# Altium PCB R100.230.030.001-00 ControlVR.PcbDoc (part 1 of 5)
Units mm, origin at the board's own origin, x right, y up, seen from the top; angles counter-clockwise.
Board outline 150 x 170 mm, 2 copper layers (Top, Bottom), stack 1.571 mm thick; 497 components, 319 nets, 1589 pads, 832 vias.
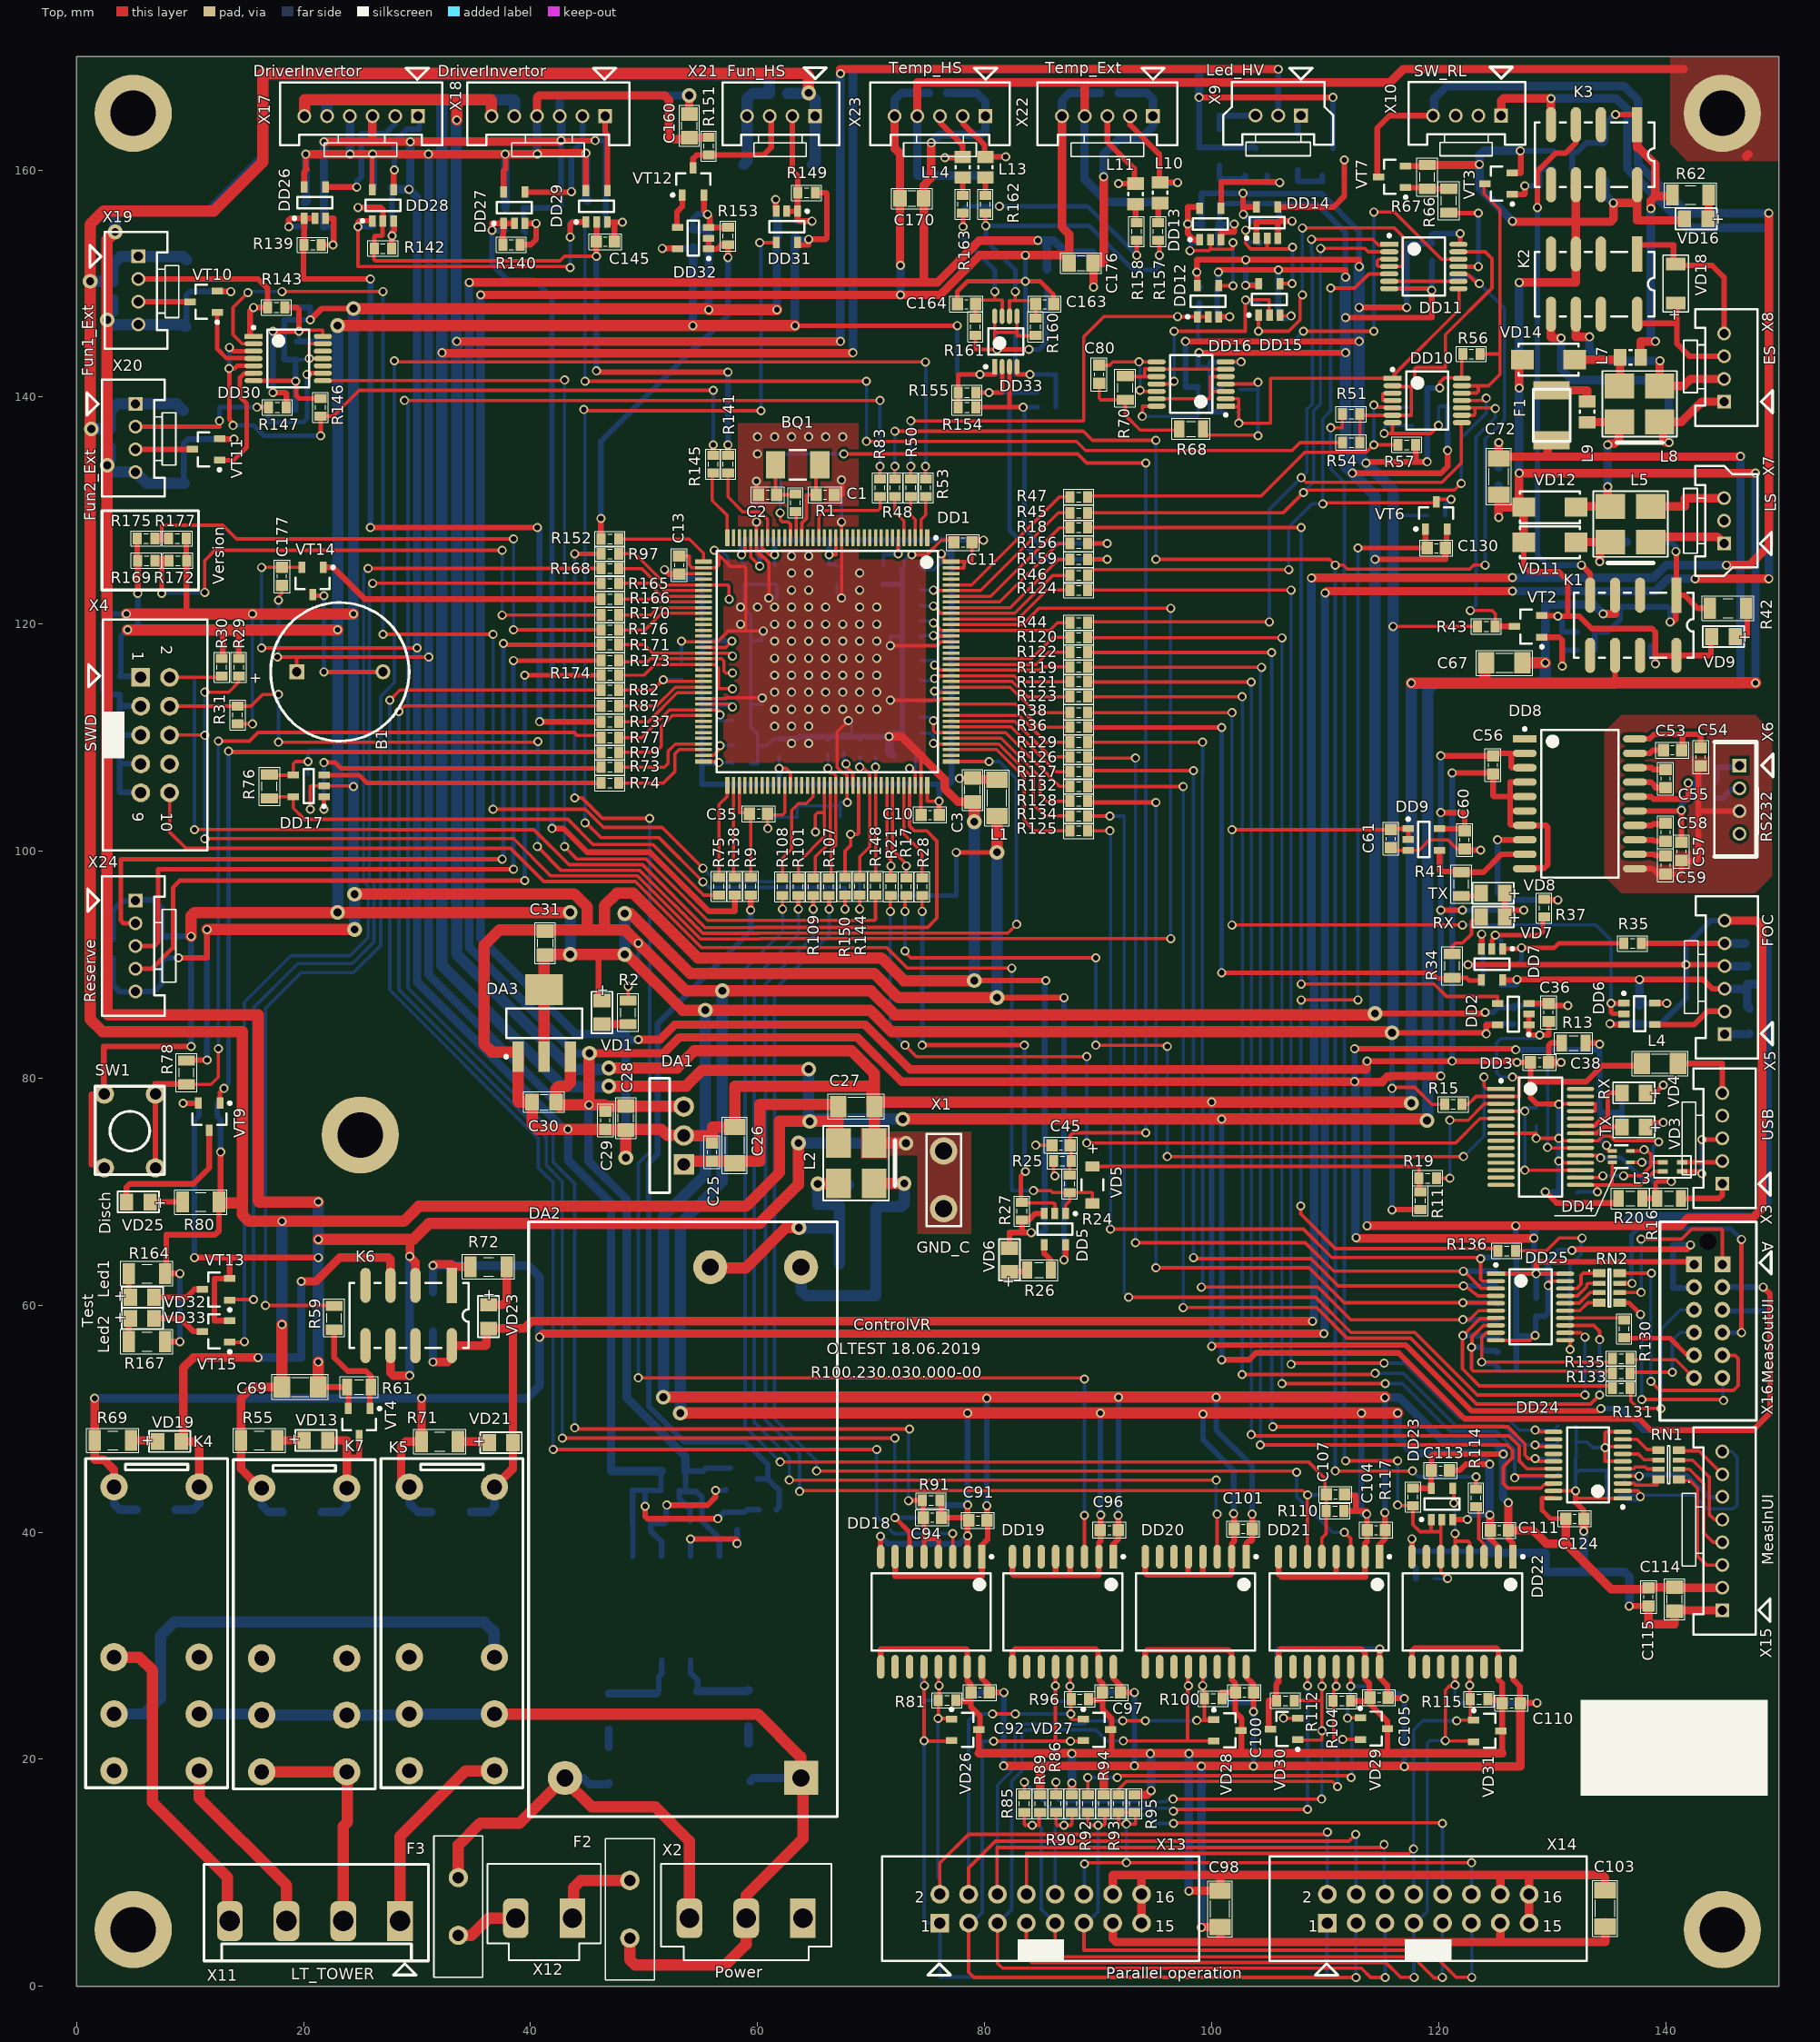
[diagram p0: Top view]
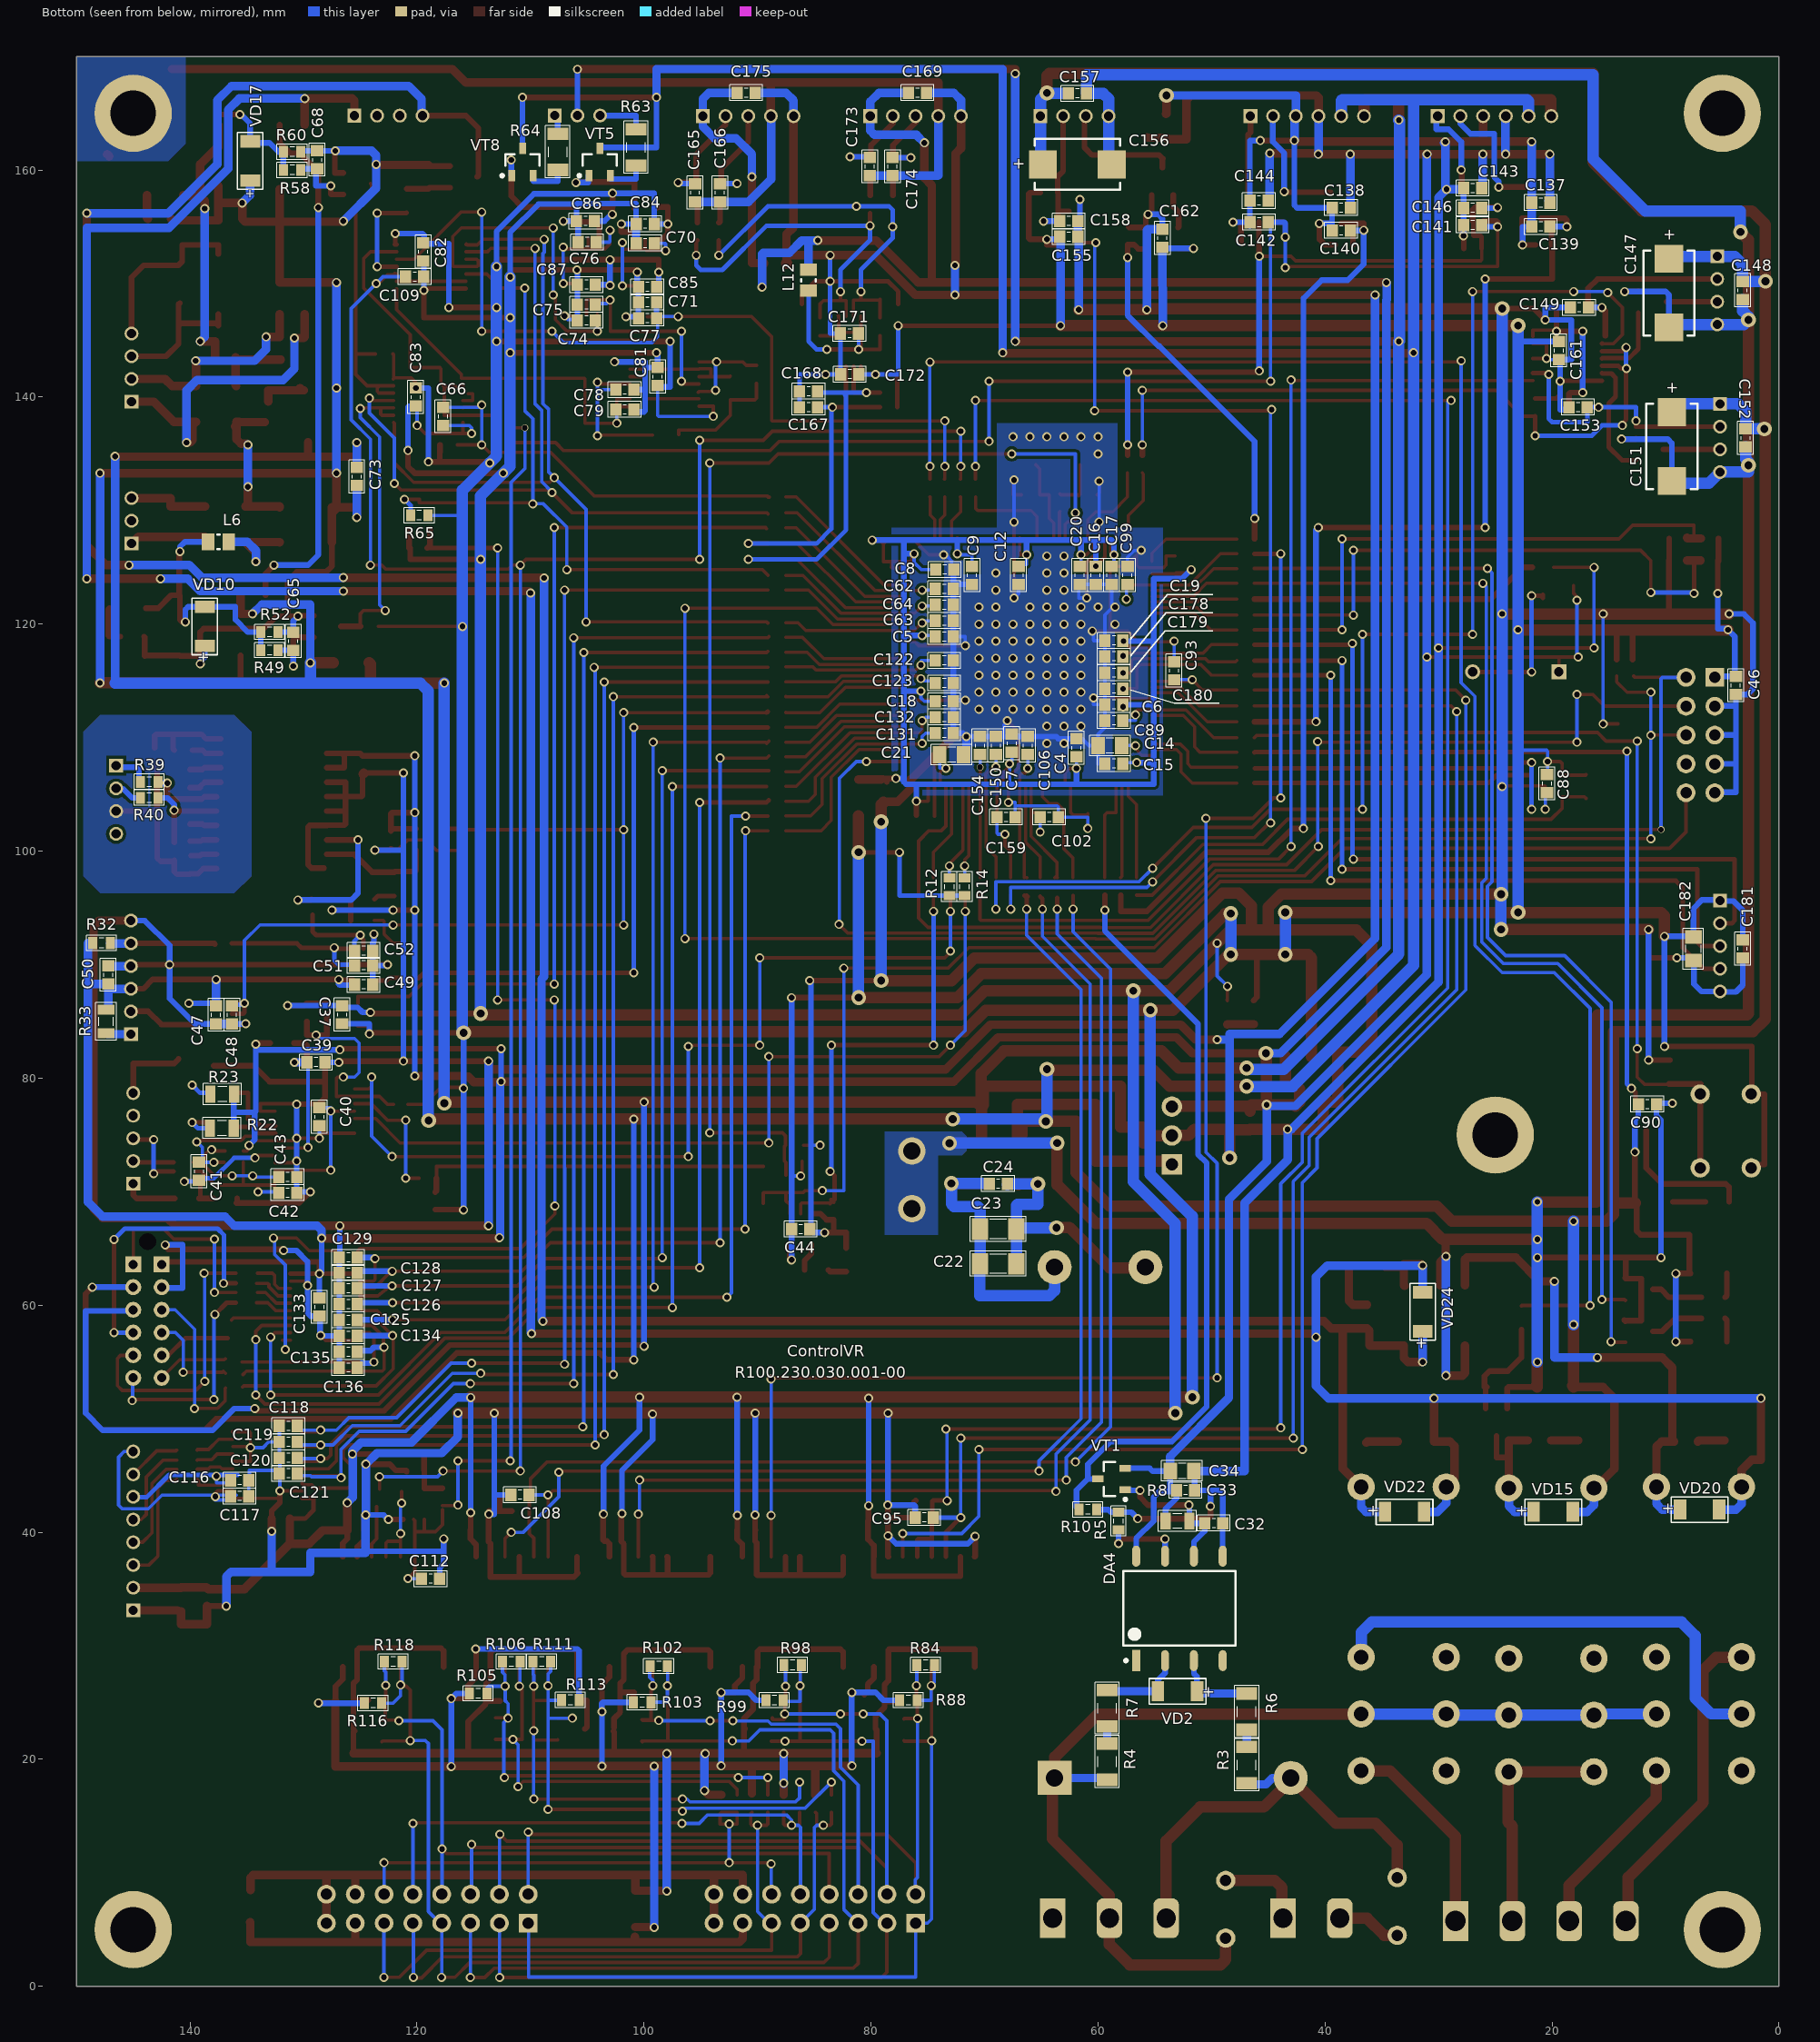
[diagram p1: Bottom view, seen from below]
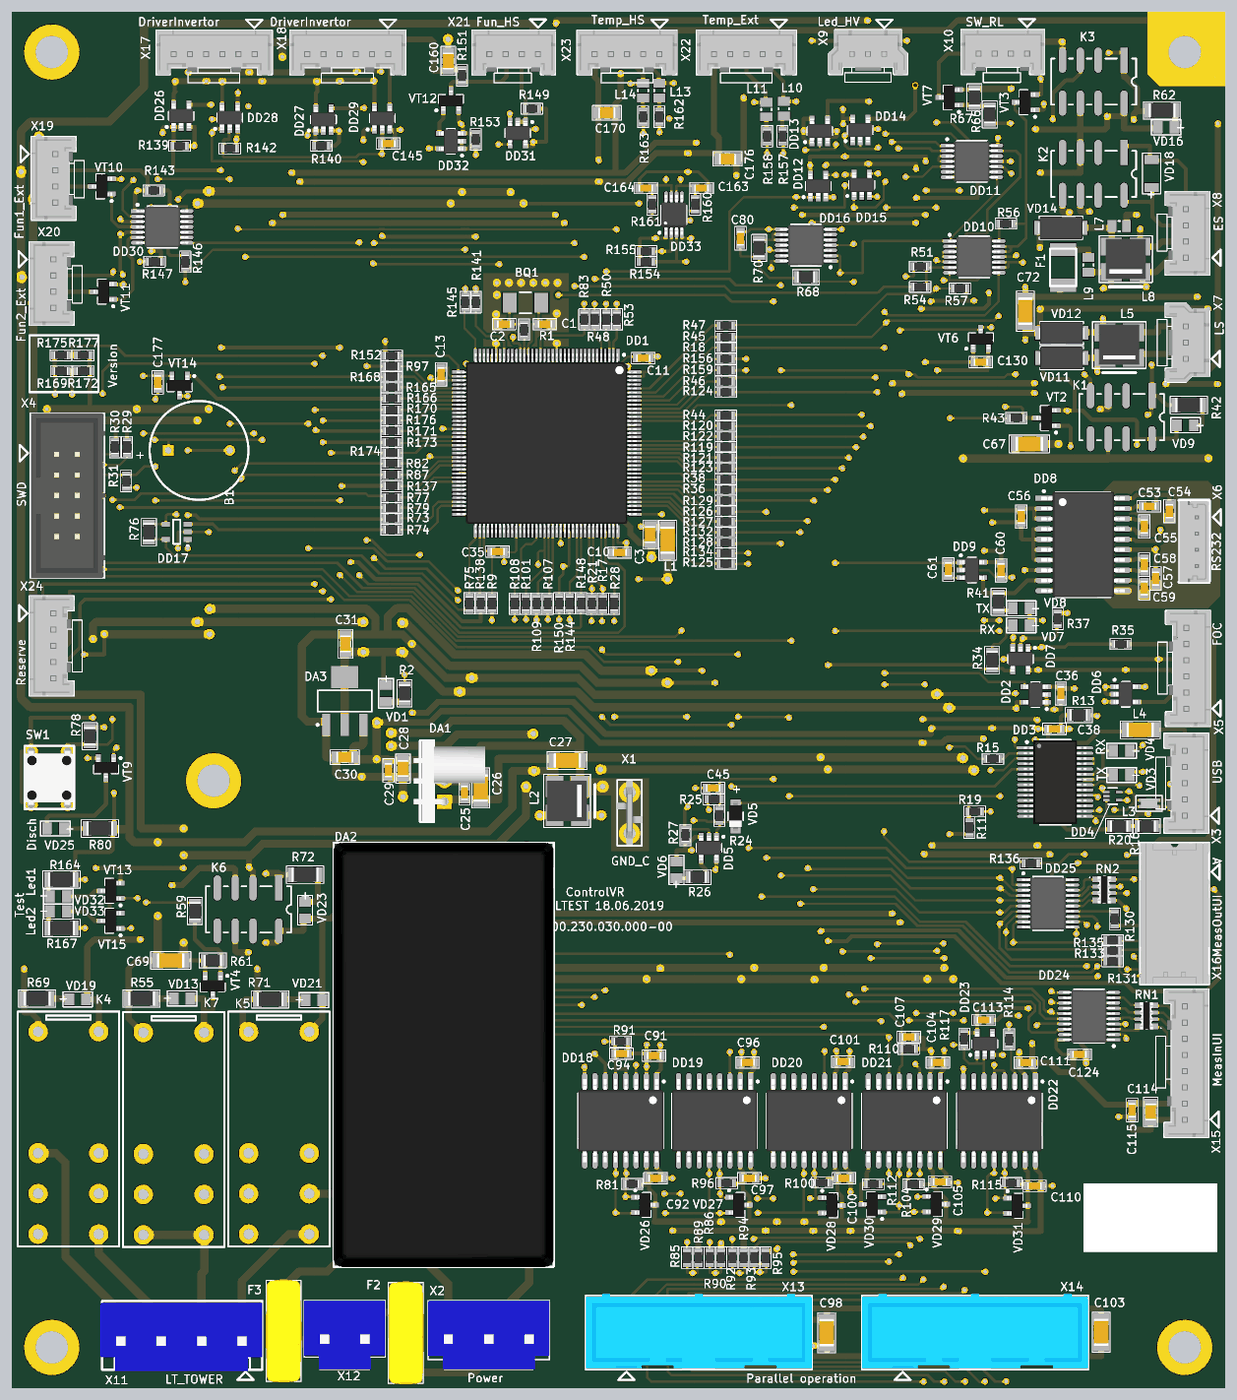
[diagram p6: 3D render of the assembled board from above, using the file's embedded part models]
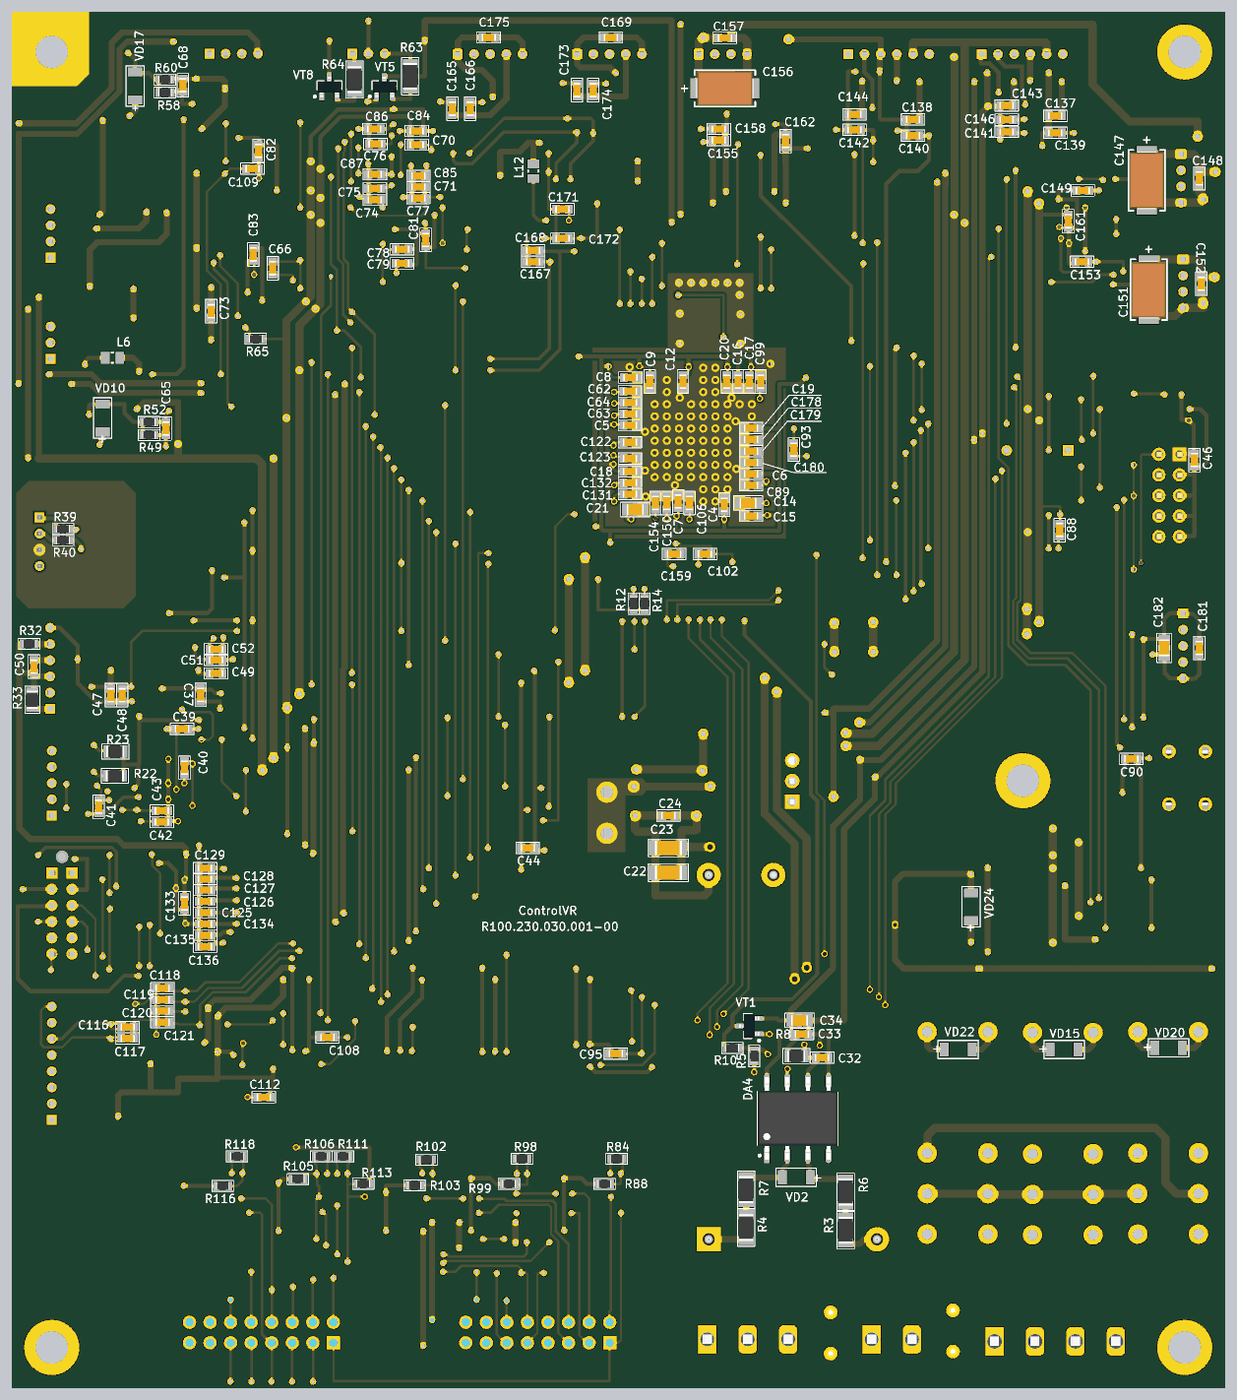
[diagram p7: 3D render of the assembled board from below, using the file's embedded part models]

## Layer stack, top to bottom
Top Solder: solder mask 0.0102, Solder Resist, Dk 3.5
Top: signal copper 0.0356
Dielectric 1: dielectric 1.5, FR-4, Dk 4.8
Bottom: signal copper 0.0356
Bottom Solder: solder mask 0.0102, Solder Resist, Dk 3.5

## Board outline
0,0 0,170 150,170 150,0

## Design rules (kind name [scope] priority, off if disabled: settings)
Clearance [All] p1: gap=0.254 except(0.2: Track-Track Track-SMDPad Track-THPad SMDPad-SMDPad)
Height [All] p1: minheight=0 maxheight=50 prefheight=12.7
HoleSize [All] p1: absolutevalues=TRUE maxlimit=5 minlimit=0.3 maxpercent=80.000 minpercent=20.000
PlaneConnect [All] p1: planeconnectstyle=Relief reliefexpansion=0.508 reliefentries=4 reliefconductorwidth=0.5 reliefairgap=0.25
PolygonConnect "Comp direct connect" [(ObjectKind = 'Pad') And (Component = 'L2')  or  (ObjectKind = 'Pad') And (Component = 'C26')  or  (ObjectKind = 'Pad') And (Component = 'DA3') or (ObjectKind = 'Pad') And (Component = 'C31')  or  (ObjectKind = 'Pad') And (Component = 'VD1') or (ObjectKind = 'Via') And (AsMM(ViaDiameter) = 0.6) And (AsMM(HoleDiameter) = 0.4)   or (ObjectKind = 'Pad') And (Net = 'GND_C')] p1: connectstyle=Direct reliefconductorwidth=0.254 reliefentries=4 polygonreliefangle="90 Angle" airgapwidth=0.254
PolygonConnect PolygonConnect_1 [IsStitchingVia] p2: connectstyle=Direct reliefconductorwidth=0.254 reliefentries=4 polygonreliefangle="90 Angle" airgapwidth=0.254
PolygonConnect [All] p3: connectstyle=Direct reliefconductorwidth=0.5 reliefentries=4 polygonreliefangle="90 Angle" airgapwidth=0.254
RoutingTopology [InNet('No Net')] p1: topology=Shortest
RoutingVias [All] p1: holewidth=0.7 width=1.3 viastyle="Through Hole" minholewidth=0.4 minwidth=0.6 maxholewidth=1 maxwidth=1.8
SolderMaskExpansion [All] p1: expansion=0.102
Width [All] p1: maxlimit=5 minlimit=0.2 preferedwidth=0.5
26 further rules are at their usual default settings.

## Classes and differential pairs
component class 13_AdditionalFunction: B1 C177 C178 C179 C180 C181 C182 R164 R165 R166 R167 R168 R169 R170 R171 R172 R173 R174 R175 R176 R177 VD32 VD33 VT13 VT14 VT15 X24
component class 12_TempSensors: C163 C164 C165 C166 C167 C168 C169 C170 C171 C172 C173 C174 C175 C176 DD33 L10 L11 L12 L13 L14 R154 R155 R156 R157 R158 R159 R160 R161 R162 R163 X22 X23
component class 11_Fun: C147 C148 C149 C150 C151 C152 C153 C154 C155 C156 C157 C158 C159 C160 C161 C162 DD30 DD31 DD32 R143 R144 R145 R146 R147 R148 R149 R150 R151 R152 R153 VT10 VT11 VT12 X19 X20 X21
component class 10_MeasOutUI: C125 C126 C127 C128 C129 C130 C131 C132 C133 C134 C135 C136 C137 C138 C139 C140 C141 C142 C143 C144 C145 C146 DD25 DD26 DD27 DD28 DD29 R125 R126 R127 R128 R129 R130 R131 R132 R133 R134 R135 R136 R137 R138 R139 R140 R141 R142 RN2 X16 X17 X18
component class 09_MeasInUI: C114 C115 C116 C117 C118 C119 C120 C121 C122 C123 C124 DD24 R119 R120 R121 R122 R123 R124 RN1 X15
component class 08_Parallel_operation: C91 C92 C93 C94 C95 C96 C97 C98 C99 C100 C101 C102 C103 C104 C105 C106 C107 C108 C109 C110 C111 C112 C113 DD18 DD19 DD20 DD21 DD22 DD23 R81 R82 R83 R84 R85 R86 R87 R88 R89 R90 R91 R92 R93 R94 R95 R96 R97 R98 R99 R100 R101 R102 R103 R104 R105 R106 R107 R108 R109 R110 R111 R112 R113 R114 R115 R116 R117 R118 VD26 VD27 VD28 VD29 VD30 VD31 X13 X14
component class 07_EEPR_DISCHAR: C88 C89 C90 DD17 R73 R74 R75 R76 R77 R78 R79 R80 SW1 VD25 VT9
component class 06_PowerRele_OnOff: C62 C63 C64 C65 C66 C67 C68 C69 C70 C71 C72 C73 C74 C75 C76 C77 C78 C79 C80 C81 C82 C83 C84 C85 C86 C87 DD10 DD11 DD12 DD13 DD14 DD15 DD16 F1 F2 F3 F6 K1 K2 K3 K4 K5 K6 K7 L5 L6 L7 L8 L9 R42 R43 R44 R45 R46 R47 R48 R49 R50 R51 R52 R53 R54 R55 R56 R57 R58 R59 R60 R61 R62 R63 R64 R65 R66 R67 R68 R69 R70 R71 R72 VD9 VD10 VD11 VD12 VD13 VD14 VD15 VD16 VD17 VD18 VD19 VD20 VD21 VD22 VD23 VD24 VT2 VT3 VT4 VT5 VT6 VT7 VT8 X7 X8 X9 X10 X11 X12
component class 05_FOC_RS_Interface: C47 C48 C49 C50 C51 C52 C53 C54 C55 C56 C57 C58 C59 C60 C61 DD6 DD7 DD8 DD9 R32 R33 R34 R35 R36 R37 R38 R39 R40 R41 VD7 VD8 X5 X6
component class 04_Debugging: C36 C37 C38 C39 C40 C41 C42 C43 C44 C45 C46 DD2 DD3 DD4 DD5 L3 L4 R11 R12 R13 R14 R15 R16 R17 R18 R19 R20 R21 R22 R23 R24 R25 R26 R27 R28 R29 R30 R31 VD3 VD4 VD5 VD6 X3 X4
component class 03_PowerSupply: C22 C23 C24 C25 C26 C27 C28 C29 C30 C31 C32 C33 C34 C35 DA1 DA2 DA3 DA4 L2 R2 R3 R4 R5 R6 R7 R8 R9 R10 VD1 VD2 VT1 X1 X2
component class 02_MCU: BQ1 C1 C2 C3 C4 C5 C6 C7 C8 C9 C10 C11 C12 C13 C14 C15 C16 C17 C18 C19 C20 C21 DD1 L1 R1

## Components (designator, comment, footprint, x,y, rotation, side; value= is the part's Value field where it differs from the comment)
B1 "KPX-G1205B" KPX-G12 23.2,115.8 r0 top
BQ1 "12MHz" DFN390P500X135-2N 63.528,134.025 r0 top
C1 "22р" SMD_C_0603 65.95,131.4 r0 top
C2 "22р" SMD_C_0603 60.9,131.4 r180 top
C3 "4.7u" SMD_C_0805 78.95,105.4 r90 top
C4 "0.1u" SMD_C_0603 61.9,109.1 r90 bottom
C5 "0.1u" SMD_C_0603 73.55,118.9 r180 bottom
C6 "0.1u" SMD_C_0603 58.6,112.9 r0 bottom
C7 "0.1u" SMD_C_0603 67.6,109.5 r90 bottom
C8 "0.1u" SMD_C_0603 73.5,124.8 r180 bottom
C9 "0.1u" SMD_C_0603 71.1,124.3 r270 bottom
C10 "0.1u" SMD_C_0603 75.2,103.2 r180 top
C11 "0.1u" SMD_C_0603 78.1,127.2 r180 top
C12 "0.1u" SMD_C_0603 67,124.3 r270 bottom
C13 "1u" SMD_C_0603 53.1,125.2 r90 top
C14 "2.2uF" SMD_C_0805 58.95,109.3 r0 bottom
C15 "0.1u" SMD_C_0603 58.6,107.7 r0 bottom
C16 "0.1u" SMD_C_0603 60.2,124.3 r270 bottom
C17 "0.1u" SMD_C_0603 58.8,124.3 r270 bottom
C18 "0.1u" SMD_C_0603 73.55,113.2 r180 bottom
C19 "0.1u" SMD_C_0603 58.6,118.55 r0 bottom
C20 "0.1u" SMD_C_0603 61.6,124.3 r270 bottom
C21 "2.2uF" SMD_C_0805 72.9,108.5 r180 bottom
C22 "10u" SMD_C_1206 68.8,63.65 r180 bottom
C23 "10u" SMD_C_1206 68.8,66.7 r180 bottom
C24 "0.1u" SMD_C_0603 68.8,70.7 r180 bottom
C25 "0.1u" SMD_C_0603 56,73.5 r270 top
C26 "10u" SMD_C_1206 58,74.1 r270 top
C27 "10u" SMD_C_1206 68.7,77.5 r180 top
C28 "100u" SMD_C_0805 48.4,76.5 r270 top
C29 "0.1u" SMD_C_0603 46.6,76.3 r90 top
C30 "100u" SMD_C_0805 41.2,77.9 r180 top
C31 "100u" SMD_C_0805 41.3,91.9 r90 top
C32 "10nF" SMD_C_0603 49.8,40.8 r0 bottom
C33 "0.1u" SMD_C_0603 52.3,43.7 r0 bottom
C34 "4.7u" SMD_C_0805 52.6,45.4 r0 bottom
C35 "1n" SMD_C_0603 60.1,103.3 r180 top
C36 "100p" SMD_C_0603 129.7,85.8 r90 top
C37 "0.1u" SMD_C_0603 126.6,85.6 r90 bottom
C38 "1u" SMD_C_0603 128.9,81.4 r0 top
C39 "0.1u" SMD_C_0603 128.9,81.4 r0 bottom
C40 "0.1u" SMD_C_0603 128.6,76.6 r90 bottom
C41 "100p" SMD_C_0603 139.2,71.8 r270 bottom
C42 "33p" SMD_C_0603 131.4,69.9 r180 bottom
C43 "33p" SMD_C_0603 131.4,71.3 r180 bottom
C44 "0.1u" SMD_C_0603 86.2,66.7 r0 bottom
C45 "1n" SMD_C_0603 86.725,74.1 r0 top
C46 "0.1u" SMD_C_0603 3.8,114.6 r90 bottom
C47 "0.1u" SMD_C_0603 137.7,85.575 r270 bottom
C48 "100p" SMD_C_0603 136.3,85.575 r90 bottom
C49 "0.1u" SMD_C_0603 124.7,88.25 r180 bottom
C50 "0.1u" SMD_C_0603 147.2,89.1 r270 bottom
C51 "100p" SMD_C_0603 124.7,89.925 r0 bottom
C52 "100p" SMD_C_0603 124.7,91.225 r180 bottom
C53 "0.1u" SMD_C_0603 140.6,108.9 r0 top
C54 "0.1u" SMD_C_0603 143.104,108.3 r90 top
C55 "0.1u" SMD_C_0603 140,106.396 r90 top
C56 "0.1u" SMD_C_0603 124.8,107.6 r90 top
C57 "100p" SMD_C_0603 141.4,99.975 r90 top
C58 "0.1u" SMD_C_0603 140,101.675 r90 top
C59 "0.1u" SMD_C_0603 140,98.775 r90 top
C60 "0.1u" SMD_C_0603 122.3,101 r270 top
C61 "100p" SMD_C_0603 115.8,101.1 r90 top
C62 "100p" SMD_C_0603 73.55,123.1 r0 bottom
C63 "100p" SMD_C_0603 73.55,120.3 r0 bottom
C64 "100p" SMD_C_0603 73.55,121.7 r0 bottom
C65 "0.1u" SMD_C_0603 130.9,118.5 r270 bottom
C66 "100p" SMD_C_0603 117.7,138.3 r90 bottom
C67 "10u" SMD_C_1206 125.8,116.6 r0 top
C68 "0.1u" SMD_C_0603 128.8,160.9 r270 bottom
C69 "10u" SMD_C_1206 19.7,52.8 r180 top
C70 "100p" SMD_C_0603 99.9,153.55 r0 bottom
C71 "100p" SMD_C_0603 99.7,148.35 r180 bottom
C72 "10u" SMD_C_1206 125.3,133 r90 top
C73 "0.1u" SMD_C_0603 125.3,133 r90 bottom
C74 "100p" SMD_C_0603 105.075,146.75 r0 bottom
C75 "100p" SMD_C_0603 105.075,148.15 r0 bottom
C76 "100p" SMD_C_0603 105,153.65 r0 bottom
C77 "100p" SMD_C_0603 99.7,146.95 r0 bottom
C78 "100p" SMD_C_0603 101.7,140.65 r180 bottom
C79 "100p" SMD_C_0603 101.7,138.9 r180 bottom
C80 "1u" SMD_C_0603 90.1,142 r270 top
C81 "0.1u" SMD_C_0603 98.8,141.8 r90 bottom
C82 "0.1u" SMD_C_0603 119.45,152.8 r270 bottom
C83 "0.1u" SMD_C_0603 120.1,140 r270 bottom
C84 "0.1u" SMD_C_0603 99.9,155.25 r180 bottom
C85 "0.1u" SMD_C_0603 99.7,149.7 r180 bottom
C86 "0.1u" SMD_C_0603 105.15,155.5 r180 bottom
C87 "0.1u" SMD_C_0603 105.075,149.9 r180 bottom
C88 "0.1u" SMD_C_0603 20.45,105.95 r90 bottom
C89 "100p" SMD_C_0603 58.6,111.5 r180 bottom
C90 "1u" SMD_C_0603 11.6,77.7 r0 bottom
C91 "0.1u" SMD_C_0603 79.425,41.05 r180 top
C92 "0.1u" SMD_C_0603 79.6,25.9 r0 top
C93 "100p" SMD_C_0603 53.3,115.9 r270 bottom
C94 "100p" SMD_C_0603 75.4,41.3 r180 top
C95 "100p" SMD_C_0603 75.3,41.3 r180 bottom
C96 "0.1u" SMD_C_0603 91,40.2 r0 top
C97 "0.1u" SMD_C_0603 91.2,25.9 r0 top
C98 "10u" SMD_C_1206 100.75,6.825 r270 top
C99 "100p" SMD_C_0603 57.4,124.3 r270 bottom
C100 "0.1u" SMD_C_0603 102.9,25.9 r0 top
C101 "0.1u" SMD_C_0603 102.8,40.3 r0 top
C102 "100p" SMD_C_0603 64.3,103 r0 bottom
C103 "10u" SMD_C_1206 134.675,6.875 r270 top
C104 "0.1u" SMD_C_0603 114.5,40.2 r0 top
C105 "0.1u" SMD_C_0603 114.75,25.45 r0 top
C106 "100p" SMD_C_0603 66.2,109.3 r270 bottom
C107 "100p" SMD_C_0603 110.925,43.35 r0 top
C108 "100p" SMD_C_0603 110.925,43.3 r0 bottom
C109 "100p" SMD_C_0603 120.2,150.6 r180 bottom
C110 "0.1u" SMD_C_0603 126.425,24.95 r0 top
C111 "0.1u" SMD_C_0603 125.35,40.175 r0 top
C112 "100p" SMD_C_0603 118.8,35.9 r0 bottom
C113 "0.1u" SMD_C_0603 120.175,45.45 r0 top
C114 "4.7u" SMD_C_0805 140.8,34.1 r90 top
C115 "0.1u" SMD_C_0603 138.5,34.3 r90 top
C116 "100p" SMD_C_0603 135.625,44.575 r180 bottom
C117 "100p" SMD_C_0603 135.625,43.175 r180 bottom
C118 "100p" SMD_C_0603 131.325,49.375 r0 bottom
C119 "100p" SMD_C_0603 131.325,47.95 r0 bottom
C120 "100p" SMD_C_0603 131.325,46.55 r0 bottom
C121 "100p" SMD_C_0603 131.325,45.175 r0 bottom
C122 "100p" SMD_C_0603 73.55,116.8 r180 bottom
C123 "100p" SMD_C_0603 73.55,114.8 r180 bottom
C124 "0.1u" SMD_C_0603 132,41.2 r180 top
C125 "100p" SMD_C_0603 126.05,58.7 r180 bottom
C126 "100p" SMD_C_0603 126.05,60.1 r180 bottom
C127 "100p" SMD_C_0603 126.05,61.5 r180 bottom
C128 "100p" SMD_C_0603 126.05,62.85 r180 bottom
C129 "100p" SMD_C_0603 126.05,64.2 r180 bottom
C130 "100p" SMD_C_0603 119.8,126.7 r180 top
C131 "100p" SMD_C_0603 73.55,110.4 r0 bottom
C132 "100p" SMD_C_0603 73.55,111.8 r0 bottom
C133 "0.1u" SMD_C_0603 128.6,59.85 r90 bottom
C134 "100p" SMD_C_0603 126.05,57.3 r180 bottom
C135 "100p" SMD_C_0603 126.05,55.9 r180 bottom
C136 "100p" SMD_C_0603 126.05,54.5 r180 bottom
C137 "0.1u" SMD_C_0603 21,157.125 r180 bottom